# Altium PCB DRS4-PCB.PcbDoc (part 4 of 15) (continued)
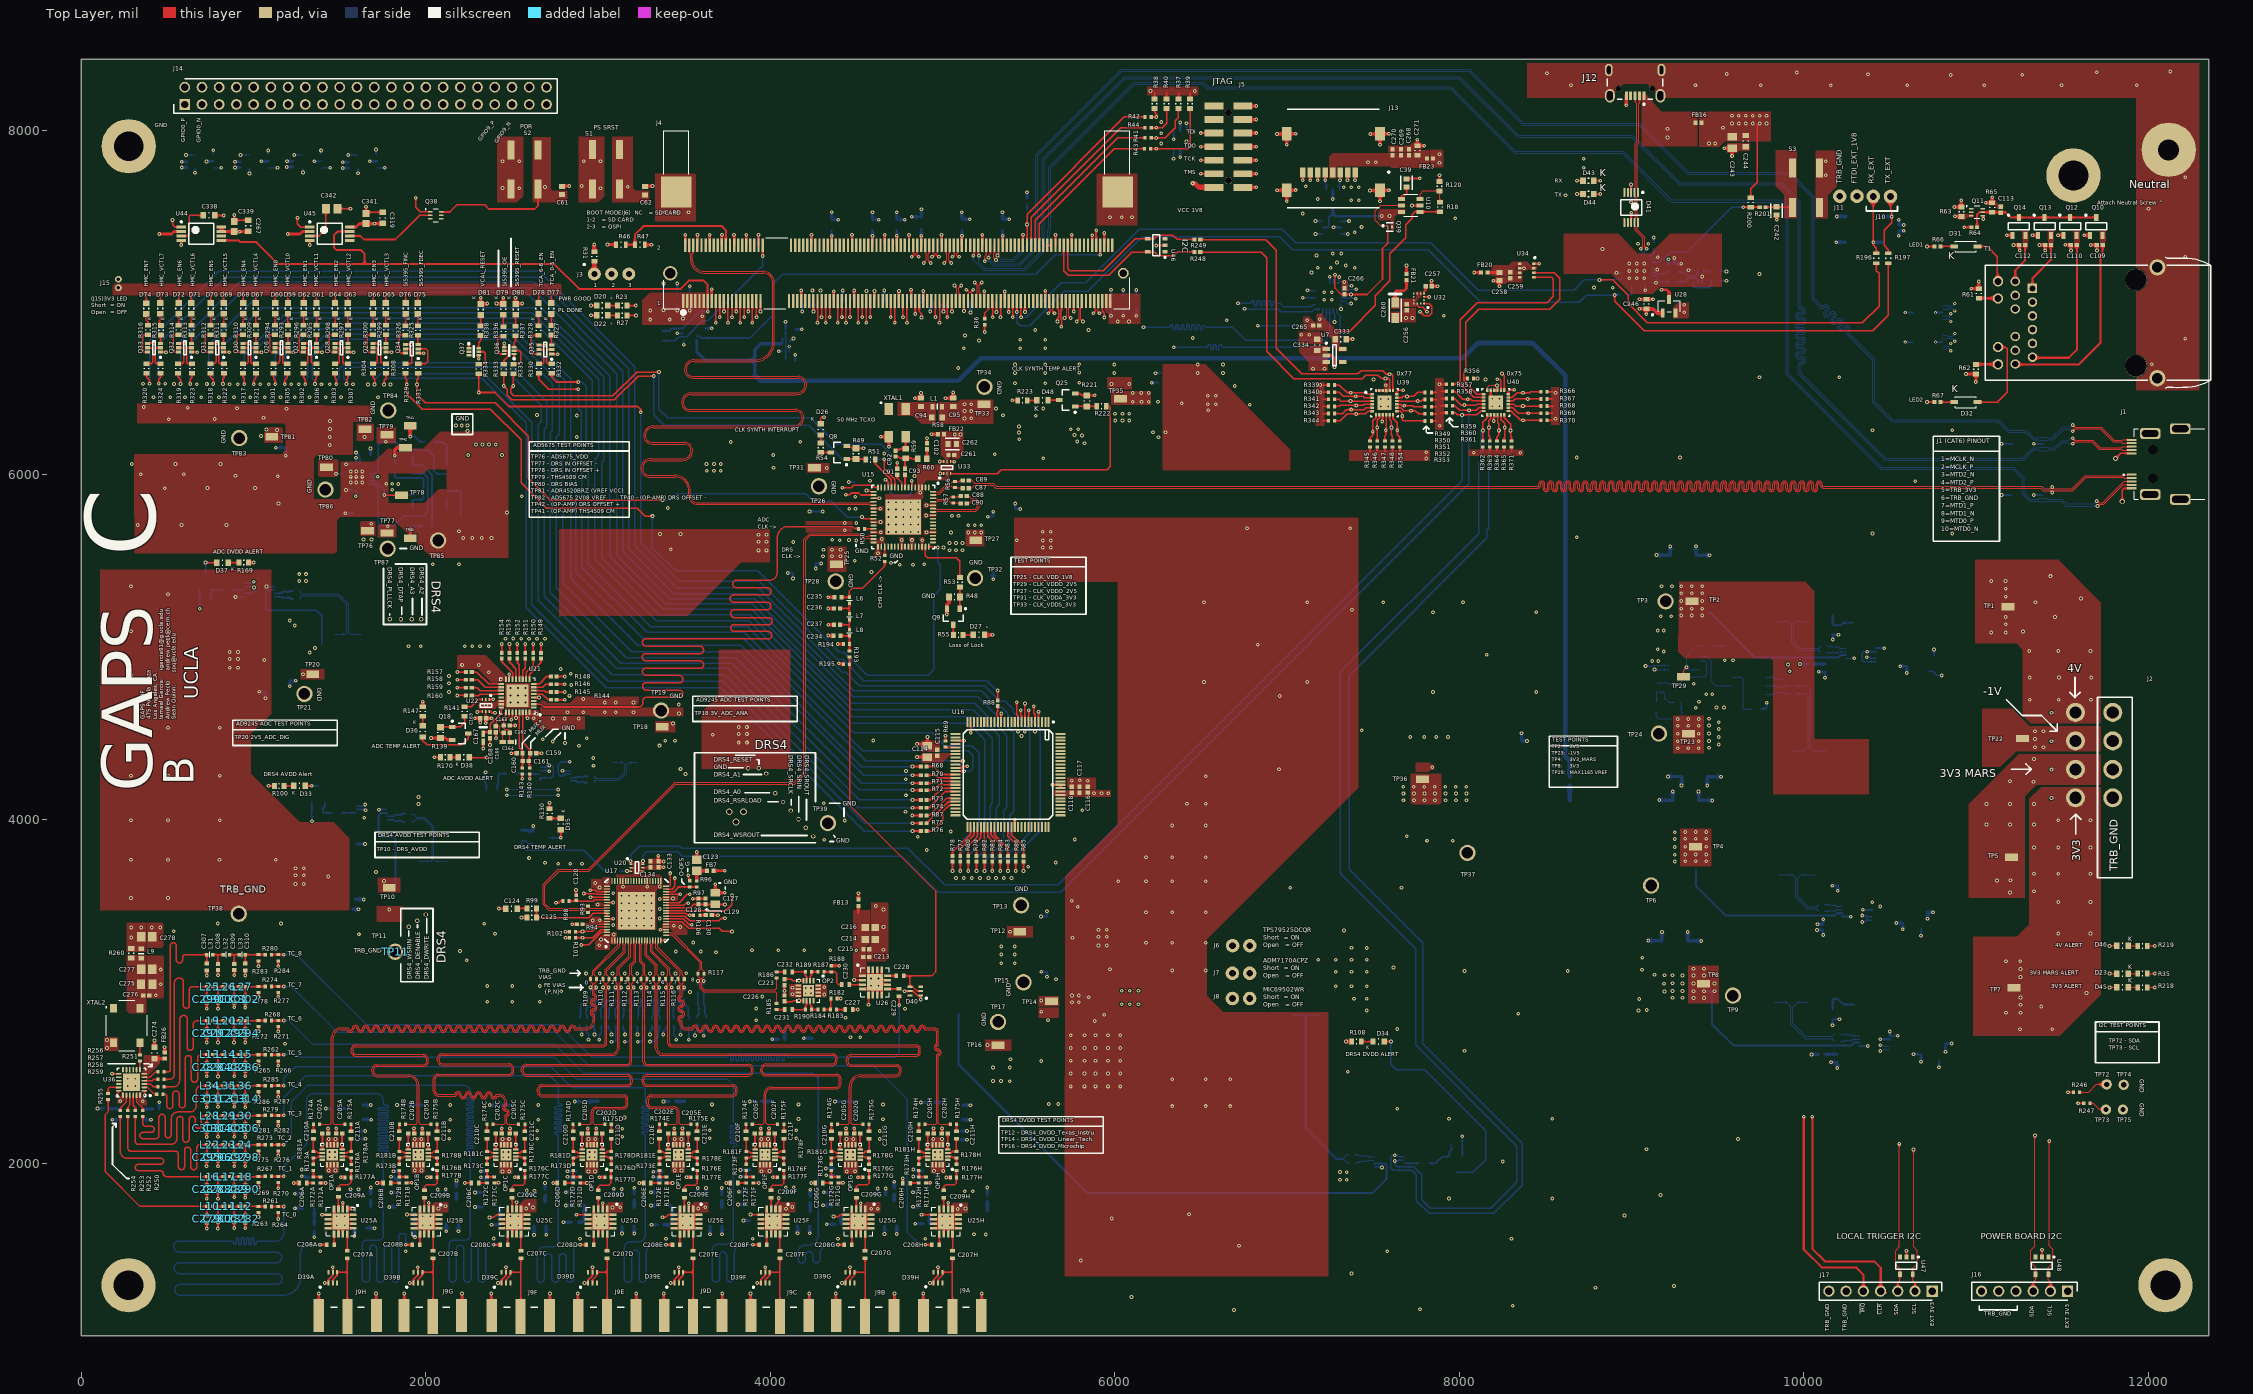
[diagram p0: Top Layer view]
## Footprints (in the part's own frame and the unit in brackets; to place one, negate y for a bottom-side part, rotate by r counter-clockwise, add the part's x,y. Pads: shape width x height; smd on the part's side, far side on the other; paste and mask are expansions set on the pad) (continued)
Cap_Murata_GRT21BR61E226ME13L_22uF [mm]
  rect 1.25x1.4 smd: 1(-0.825,0) 2(0.825,0)
  body extent -1.1,-0.64 1.1,0.64, height 1.45
Cap_Murata_ZRB18AR6YA475ME05L_4.7uF [mm]
  rect 0.8x0.95 smd: 1(-0.825,0) 2(0.825,0)
  silkscreen extent -0.05,-0.38 0.05,0.38, body extent -0.8,-0.4 0.8,0.4, height 1
Cap_Taiyo_Yuden_TMK105B7104KV-FR_100nF [mm]
  rect 0.66x0.62 smd: 1(-0.44,0) 2(0.44,0)
  body extent -0.53,-0.28 0.53,0.28, height 0.45
Cap_TDK_C1608X5R1A106M080AC_220nF [mm]
  rect 0.52x0.72 smd: 1(-0.55,0) 2(0.55,0)
  body extent -0.6,-0.35 0.6,0.35, height 0.5
Cap_TDK_CGA2B2C0G2A151J050BE_150pF [mm]
  rect 0.58x0.66 smd: 1(-0.51,0) 2(0.51,0)
  body extent -0.58,-0.3 0.58,0.3, height 0.6
Cap_Wurth_Electronics_885012206075_470nF [mm]
  rect 1.1x1 smd: 1(-0.725,0) 2(0.725,0)
  body extent -0.87,-0.48 0.88,0.48, height 0.95
CAPC0603(1608)100_L [mm] "Chip Capacitor, Body 1.6x0.8mm, Height 1.0mm, IPC High Density"
  rect 0.7x0.9 smd: 1(-0.7,0) 2(0.7,0)
  silkscreen extent -0.05,-0.35 0.05,0.35, body extent -0.87,-0.47 0.88,0.48, height 1
CP_16_40 [mm]
  rect 1.005x0.39 smd paste+0 mask+0: 1(-1.852,0.975) 2(-1.852,0.325) 3(-1.852,-0.325) 4(-1.852,-0.975) 9(1.852,-0.975) 10(1.852,-0.325) 11(1.852,0.325) 12(1.852,0.975)
  rect 0.39x1.005 smd paste+0 mask+0: 5(-0.975,-1.852) 6(-0.325,-1.852) 7(0.325,-1.852) 8(0.975,-1.852) 13(0.975,1.852) 14(0.325,1.852) 15(-0.325,1.852) 16(-0.975,1.852)
  rect 2.4x2.4 smd paste-10 mask+0: 17(0,0)
  silkscreen extent -2.48,-2.13 2.13,2.61, body extent -2.05,-2.05 2.05,2.05, height 0.95
CP_20_8 [mm]
  rect 0.905x0.3 smd paste+0 mask+0: 1(-1.902,1) 2(-1.902,0.5) 3(-1.902,0) 4(-1.902,-0.5) 5(-1.902,-1) 11(1.902,-1) 12(1.902,-0.5) 13(1.902,0) 14(1.902,0.5) 15(1.902,1)
  rect 0.3x0.905 smd paste+0 mask+0: 6(-1,-1.902) 7(-0.5,-1.902) 8(0,-1.902) 9(0.5,-1.902) 10(1,-1.902) 16(1,1.902) 17(0.5,1.902) 18(0,1.902) 19(-0.5,1.902) 20(-1,1.902)
  rect 2.6x2.6 smd paste-1.287 mask+0: 21(0,0)
  silkscreen extent -2.79,-2.13 2.13,2.29, body extent -2.05,-2.05 2.05,2.05, height 0.75
CP_32_2 [mil]
  rect 32x12 smd paste+0 mask+0: 1(-94.5,68.9) 2(-94.5,49.21) 3(-94.5,29.53) 4(-94.5,9.84) 5(-94.5,-9.84) 6(-94.5,-29.53) 7(-94.5,-49.21) 8(-94.5,-68.9) 17(94.5,-68.9) 18(94.5,-49.21) 19(94.5,-29.53) 20(94.5,-9.84) 21(94.5,9.84) 22(94.5,29.53) 23(94.5,49.21) 24(94.5,68.9)
  rect 12x32 smd paste+0 mask+0: 9(-68.9,-94.5) 10(-49.21,-94.5) 11(-29.53,-94.5) 12(-9.84,-94.5) 13(9.84,-94.5) 14(29.53,-94.5) 15(49.21,-94.5) 16(68.9,-94.5) 25(68.9,94.5) 26(49.21,94.5) 27(29.53,94.5) 28(9.84,94.5) 29(-9.84,94.5) 30(-29.53,94.5) 31(-49.21,94.5) 32(-68.9,94.5)
  rect 128x128 smd paste-63.5 mask+0: 33(0,0)
  silkscreen extent -135,-104 104,115, body extent -98,-98 99,99, height 38
D8 [mil]
  rect 78x22 smd: 1(-97,75) 2(-97,25) 3(-97,-25) 4(-97,-75) 5(97,-75) 6(97,-25) 7(97,25) 8(97,75)
  silkscreen extent -54,-98 54,98, body extent -122,-98 122,99, height 69
DBV0005A_L [mm] "SOT23, 5-Leads, Body 3.05x1.75mm, Pitch 0.95mm, IPC High Density"
  rrect18% 0.8x0.55 smd: 1(-1.275,0.95) 2(-1.275,0) 3(-1.275,-0.95) 4(1.275,-0.95) 5(1.275,0.95)
  silkscreen extent -1.4,-1.55 0.5,1.9, body extent -1.42,-1.46 1.42,1.46, height 1.08
DBV0005A_M [mm] "SOT23, 5-Leads, Body 3.05x1.75mm, Pitch 0.95mm, IPC Low Density"
  rrect15% 1.2x0.65 smd: 1(-1.475,0.95) 2(-1.475,0) 3(-1.475,-0.95) 4(1.475,-0.95) 5(1.475,0.95)
  silkscreen extent -1.6,-1.55 0.5,1.95, body extent -1.42,-1.46 1.42,1.46, height 1.08
DCQ0006A_L [mm] "SOT223, 6-Leads, Body 6.55x3.55mm, Pitch 1.27mm, IPC High Density"
  rrect17% 1.8x0.6 smd: 1(-2.925,2.54) 2(-2.925,1.27) 3(-2.925,0) 4(-2.925,-1.27) 5(-2.925,-2.54)
  rrect6% 1.8x3.15 smd: 6(2.925,0)
  silkscreen extent -3.05,-3.3 1.75,3.51, body extent -3.48,-3.25 3.48,3.25, height 1.64
DCQ0006A_N [mm] "SOT223, 6-Leads, Body 6.55x3.55mm, Pitch 1.27mm, IPC Medium Density"
  rrect17% 2.1x0.6 smd: 1(-2.975,2.54) 2(-2.975,1.27) 3(-2.975,0) 4(-2.975,-1.27) 5(-2.975,-2.54)
  rrect5% 2.1x3.2 smd: 6(2.975,0)
  silkscreen extent -3.1,-3.3 1.65,3.51, body extent -3.48,-3.25 3.48,3.25, height 1.64
DIMM_TE_Connectivity_1473005-4_200POS [mil]
  rect 14x79 smd paste+0 mask+0: 1(-1240.16,-161.5) 2(-1228.35,161.5) 3(-1216.54,-161.5) 4(-1204.73,161.5) 5(-1192.92,-161.5) 6(-1181.11,161.5) 7(-1169.3,-161.5) 8(-1157.49,161.5) 9(-1145.68,-161.5) 10(-1133.87,161.5) 11(-1122.06,-161.5) 12(-1110.25,161.5) 13(-1098.44,-161.5) 14(-1086.63,161.5) 15(-1074.82,-161.5) 16(-1063.01,161.5) 17(-1051.2,-161.5) 18(-1039.39,161.5) 19(-1027.58,-161.5) 20(-1015.77,161.5) 21(-1003.96,-161.5) 22(-992.15,161.5) 23(-980.34,-161.5) 24(-968.53,161.5) 25(-956.72,-161.5) 26(-944.91,161.5) 27(-933.1,-161.5) 28(-921.29,161.5) 29(-909.48,-161.5) 30(-897.67,161.5) 31(-885.86,-161.5) 32(-874.05,161.5) 33(-862.24,-161.5) 34(-850.43,161.5) 35(-838.62,-161.5) 36(-826.81,161.5) 37(-815,-161.5) 38(-803.19,161.5) 39(-791.38,-161.5) 40(-779.57,161.5) 41(-626.03,-161.5) 42(-614.22,161.5) 43(-602.41,-161.5) 44(-590.6,161.5) 45(-578.79,-161.5) 46(-566.98,161.5) 47(-555.17,-161.5) 48(-543.36,161.5) 49(-531.55,-161.5) 50(-519.74,161.5) 51(-507.93,-161.5) 52(-496.12,161.5) 53(-484.31,-161.5) 54(-472.5,161.5) 55(-460.69,-161.5) 56(-448.88,161.5) 57(-437.07,-161.5) 58(-425.26,161.5) 59(-413.45,-161.5) 60(-401.64,161.5) 61(-389.83,-161.5) 62(-378.02,161.5) 63(-366.21,-161.5) 64(-354.4,161.5) 65(-342.59,-161.5) 66(-330.78,161.5) 67(-318.97,-161.5) 68(-307.16,161.5) 69(-295.35,-161.5) 70(-283.54,161.5) 71(-271.73,-161.5) 72(-259.92,161.5) 73(-248.11,-161.5) 74(-236.3,161.5) 75(-224.49,-161.5) 76(-212.68,161.5) 77(-200.87,-161.5) 78(-189.06,161.5) 79(-177.25,-161.5) 80(-165.44,161.5) 81(-153.63,-161.5) 82(-141.82,161.5) 83(-130.01,-161.5) 84(-118.2,161.5) 85(-106.39,-161.5) 86(-94.58,161.5) 87(-82.77,-161.5) 88(-70.96,161.5) 89(-59.15,-161.5) 90(-47.34,161.5) 91(-35.53,-161.5) 92(-23.72,161.5) 93(-11.91,-161.5) 94(-0.1,161.5) 95(11.71,-161.5) 96(23.52,161.5) 97(35.33,-161.5) 98(47.14,161.5) 99(58.95,-161.5) 100(70.76,161.5) 101(82.57,-161.5) 102(94.38,161.5) 103(106.19,-161.5) 104(118,161.5) 105(129.81,-161.5) 106(141.62,161.5) 107(153.43,-161.5) 108(165.24,161.5) 109(177.05,-161.5) 110(188.86,161.5) 111(200.67,-161.5) 112(212.48,161.5) 113(224.29,-161.5) 114(236.1,161.5) 115(247.91,-161.5) 116(259.72,161.5) 117(271.53,-161.5) 118(283.34,161.5) 119(295.15,-161.5) 120(306.96,161.5) 121(318.77,-161.5) 122(330.58,161.5) 123(342.39,-161.5) 124(354.2,161.5) 125(366.01,-161.5) 126(377.82,161.5) 127(389.63,-161.5) 128(401.44,161.5) 129(413.25,-161.5) 130(425.06,161.5) 131(436.87,-161.5) 132(448.68,161.5) 133(460.49,-161.5) 134(472.3,161.5) 135(484.11,-161.5) 136(495.92,161.5) 137(507.73,-161.5) 138(519.54,161.5) 139(531.35,-161.5) 140(543.16,161.5) 141(554.97,-161.5) 142(566.78,161.5) 143(578.59,-161.5) 144(590.4,161.5) 145(602.21,-161.5) 146(614.02,161.5) 147(625.83,-161.5) 148(637.64,161.5) 149(649.45,-161.5) 150(661.26,161.5) 151(673.07,-161.5) 152(684.88,161.5) 153(696.69,-161.5) 154(708.5,161.5) 155(720.31,-161.5) 156(732.12,161.5) 157(743.93,-161.5) 158(755.74,161.5) 159(767.55,-161.5) 160(779.36,161.5) 161(791.17,-161.5) 162(802.98,161.5) 163(814.79,-161.5) 164(826.6,161.5) 165(838.41,-161.5) 166(850.22,161.5) 167(862.03,-161.5) 168(873.84,161.5) 169(885.65,-161.5) 170(897.46,161.5) 171(909.27,-161.5) 172(921.08,161.5) 173(932.89,-161.5) 174(944.7,161.5) 175(956.51,-161.5) 176(968.32,161.5) 177(980.13,-161.5) 178(991.94,161.5) 179(1003.75,-161.5) 180(1015.56,161.5) 181(1027.37,-161.5) 182(1039.18,161.5) 183(1050.99,-161.5) 184(1062.8,161.5) 185(1074.61,-161.5) 186(1086.42,161.5) 187(1098.23,-161.5) 188(1110.04,161.5) 189(1121.85,-161.5) 190(1133.66,161.5) 191(1145.47,-161.5) 192(1157.28,161.5) 193(1169.09,-161.5) 194(1180.9,161.5) 195(1192.71,-161.5) 196(1204.52,161.5) 197(1216.33,-161.5) 198(1228.14,161.5) 199(1239.95,-161.5) 200(1251.76,161.5)
  round 83 hole 63: 202(-1315.04,0)
  round 63 hole 43 mask+0: 203(1314.96,0)
  rect 177x181 smd: 204(-1281.5,472.44) 205(1281.5,472.44)
  silkscreen extent -1352,-238 1352,828, body extent -1401,-197 1413,829, height 212
Diode_ON_Semiconductor_1N4148WT_300mA [mm]
  rect 0.55x0.4 smd: 1(-0.8,0) 2(0.8,0)
  body extent -0.8,-0.45 0.8,0.45, height 0.7
Diode_SP3003-04ATG_LVDS_ESD [mm]
  oval 1.35x0.3 smd mask+0.06: 1(-2.225,1) 2(-2.225,0.5) 3(-2.225,0) 4(-2.225,-0.5) 5(-2.225,-1) 6(2.225,-1) 7(2.225,-0.5) 8(2.225,0) 9(2.225,0.5) 10(2.225,1)
  silkscreen extent -2.35,-1.55 1.15,1.82, body extent -2.44,-1.55 2.44,1.55, height 1.1
DRS4 [mm] "QFN, 76-Leads, Body 9.00x9.00mm, Pitch 0.40mm, Thermal Pad 5.50x5.50mm, IPC Medium Density"
  oval 0.9x0.2 smd: 1(-4.375,3.6) 2(-4.375,3.2) 3(-4.375,2.8) 4(-4.375,2.4) 5(-4.375,2) 6(-4.375,1.6) 7(-4.375,1.2) 8(-4.375,0.8) 9(-4.375,0.4) 10(-4.375,0) 11(-4.375,-0.4) 12(-4.375,-0.8) 13(-4.375,-1.2) 14(-4.375,-1.6) 15(-4.375,-2) 16(-4.375,-2.4) 17(-4.375,-2.8) 18(-4.375,-3.2) 19(-4.375,-3.6) 39(4.375,-3.6) 40(4.375,-3.2) 41(4.375,-2.8) 42(4.375,-2.4) 43(4.375,-2) 44(4.375,-1.6) 45(4.375,-1.2) 46(4.375,-0.8) 47(4.375,-0.4) 48(4.375,0) 49(4.375,0.4) 50(4.375,0.8) 51(4.375,1.2) 52(4.375,1.6) 53(4.375,2) 54(4.375,2.4) 55(4.375,2.8) 56(4.375,3.2) 57(4.375,3.6)
  oval 0.2x0.9 smd: 20(-3.6,-4.375) 21(-3.2,-4.375) 22(-2.8,-4.375) 23(-2.4,-4.375) 24(-2,-4.375) 25(-1.6,-4.375) 26(-1.2,-4.375) 27(-0.8,-4.375) 28(-0.4,-4.375) 29(0,-4.375) 30(0.4,-4.375) 31(0.8,-4.375) 32(1.2,-4.375) 33(1.6,-4.375) 34(2,-4.375) 35(2.4,-4.375) 36(2.8,-4.375) 37(3.2,-4.375) 38(3.6,-4.375) 58(3.6,4.375) 59(3.2,4.375) 60(2.8,4.375) 61(2.4,4.375) 62(2,4.375) 63(1.6,4.375) 64(1.2,4.375) 65(0.8,4.375) 66(0.4,4.375) 67(0,4.375) 68(-0.4,4.375) 69(-0.8,4.375) 70(-1.2,4.375) 71(-1.6,4.375) 72(-2,4.375) 73(-2.4,4.375) 74(-2.8,4.375) 75(-3.2,4.375) 76(-3.6,4.375)
  rect 5.5x5.5 smd paste-10: 77(0,0)
  silkscreen extent -5.42,-4.65 4.65,4.65, body extent -4.55,-4.55 4.55,4.55, height 0.9
"ESD_Bourns_ CDNBS08-SRDA05-4_5V" [mm]
  rect 1.45x0.65 smd: 1(-2.725,1.905) 2(-2.725,0.635) 3(-2.725,-0.635) 4(-2.725,-1.905) 5(2.725,-1.905) 6(2.725,-0.635) 7(2.725,0.635) 8(2.725,1.905)
  silkscreen extent -2.85,-2.5 1.6,2.9, body extent -3,-2.5 3,2.5, height 2.65
FB_MURATA_BLM15AX102SZ1D_1k [mm] "Feb SMD 1000 OHM 25% 3/4W 0402"
  rect 0.59x0.62 smd: 1(-0.455,0) 2(0.455,0)
  body extent -0.53,-0.28 0.53,0.27, height 0.55
FB_Wurth_Electronics_742792731_100Ohms [mm]
  rect 0.59x0.62 smd: 1(-0.455,0) 2(0.455,0)
  body extent -0.52,-0.28 0.53,0.28, height 0.5
Feb_MURATA_BLM15AX300SZ1D_30 [mm]
  rect 0.59x0.62 smd: 1(-0.455,0) 2(0.455,0)
  body extent -0.53,-0.28 0.53,0.27, height 0.55
FP-C0402-BB-MFG [mm]
  rect 0.52x0.52 smd paste+0 mask+0: 1(-0.4,0) 2(0.4,0)
  body extent -0.8,-0.4 0.8,0.4, height 0.25
HDRV6W64P0X254_1X6_1524X254X869P [mm]
  rect 1.65x1.65 hole 1.1: 1(0,0)
  round 1.65 hole 1.1: 2(2.54,0) 3(5.08,0) 4(7.62,0) 5(10.16,0) 6(12.7,0)
  silkscreen extent -1.42,-1.35 14.12,1.35, body extent -1.27,-1.27 13.97,1.27, height 8.69
HDRV7W64P0X254_1X7_1778X254X869P [mm]
  rect 1.65x1.65 hole 1.1: 1(0,0)
  round 1.65 hole 1.1: 2(2.54,0) 3(5.08,0) 4(7.62,0) 5(10.16,0) 6(12.7,0) 7(15.24,0)
  silkscreen extent -1.42,-1.35 16.66,1.35, body extent -1.27,-1.27 16.51,1.27, height 8.69
HDRV44W87P254_2X22_5601X508X864P [mm]
  rect 1.575x1.575 hole 1.05: 1(0,0)
  round 1.575 hole 1.05: 2(0,2.54) 3(2.54,0) 4(2.54,2.54) 5(5.08,0) 6(5.08,2.54) 7(7.62,0) 8(7.62,2.54) 9(10.16,0) 10(10.16,2.54) 11(12.7,0) 12(12.7,2.54) 13(15.24,0) 14(15.24,2.54) 15(17.78,0) 16(17.78,2.54) 17(20.32,0) 18(20.32,2.54) 19(22.86,0) 20(22.86,2.54) 21(25.4,0) 22(25.4,2.54) 23(27.94,0) 24(27.94,2.54) 25(30.48,0) 26(30.48,2.54) 27(33.02,0) 28(33.02,2.54) 29(35.56,0) 30(35.56,2.54) 31(38.1,0) 32(38.1,2.54) 33(40.64,0) 34(40.64,2.54) 35(43.18,0) 36(43.18,2.54) 37(45.72,0) 38(45.72,2.54) 39(48.26,0) 40(48.26,2.54) 41(50.8,0) 42(50.8,2.54) 43(53.34,0) 44(53.34,2.54)
  silkscreen extent -1.59,-1.27 54.93,3.81, body extent -1.34,-1.27 54.68,3.81, height 8.64
Header_Harwin_M50-3530242_2POS [mm] "Headers & Wire Housings 2 WAY SIL VERT PC TAIL P/HDR"
  round 1 hole 0.5: 1(0,0) 2(1.27,0)
Header_Molex_87832-1420_14POS [mm]
  rect 1x2.75 smd: 1(0,0) 2(0,4.26) 3(2,0) 4(2,4.26) 5(4,0) 6(4,4.26) 7(6,0) 8(6,4.26) 9(8,0) 10(8,4.26) 11(10,0) 12(10,4.26) 13(12,0) 14(12,4.26)
  round 1.08 hole 1.08: ""(1,2.13) ""(11,2.13)
  body extent -2.33,-1.05 14.33,5.25, height 7.6
Header_TE_Connectivity_87224-3_3POS [mm] "Headers & Wire Housings UNSHRD VERT SNGL 3"
  round 1.9 hole 0.9: 1(0,0) 2(2.54,0) 3(5.08,0)
  silkscreen extent -1.62,1.28 -1.38,1.52
Header_TE_Connectivity_826936-2_2POS_5A [mm]
  round 2 hole 1: 1(0,0) 2(2.54,0)
  body extent -1.27,-1.25 3.81,1.25, height 8.7
Header_TE_Connectivity_1586041-8_8POS [mm]
  round 2.794 hole 1.8: 1(0,5.5) 2(0,0) 3(4.2,5.5) 4(4.2,0) 5(8.4,5.5) 6(8.4,0) 7(12.6,5.5) 8(12.6,0)
  body extent -2.62,-14.08 15.88,6.05, height 11.6
IC_Cypress_Semiconductor_CY8C9560A-24AXI [mm] "Interface - I/O Expanders 60BIT IO EXPANDER W/EEPROM"
  rect 1.5x0.3 smd: 1(-7.75,6) 2(-7.75,5.5) 3(-7.75,5) 4(-7.75,4.5) 5(-7.75,4) 6(-7.75,3.5) 7(-7.75,3) 8(-7.75,2.5) 9(-7.75,2) 10(-7.75,1.5) 11(-7.75,1) 12(-7.75,0.5) 13(-7.75,0) 14(-7.75,-0.5) 15(-7.75,-1) 16(-7.75,-1.5) 17(-7.75,-2) 18(-7.75,-2.5) 19(-7.75,-3) 20(-7.75,-3.5) 21(-7.75,-4) 22(-7.75,-4.5) 23(-7.75,-5) 24(-7.75,-5.5) 25(-7.75,-6) 51(7.75,-6) 52(7.75,-5.5) 53(7.75,-5) 54(7.75,-4.5) 55(7.75,-4) 56(7.75,-3.5) 57(7.75,-3) 58(7.75,-2.5) 59(7.75,-2) 60(7.75,-1.5) 61(7.75,-1) 62(7.75,-0.5) 63(7.75,0) 64(7.75,0.5) 65(7.75,1) 66(7.75,1.5) 67(7.75,2) 68(7.75,2.5) 69(7.75,3) 70(7.75,3.5) 71(7.75,4) 72(7.75,4.5) 73(7.75,5) 74(7.75,5.5) 75(7.75,6)
  rect 0.3x1.5 smd: 26(-6,-7.75) 27(-5.5,-7.75) 28(-5,-7.75) 29(-4.5,-7.75) 30(-4,-7.75) 31(-3.5,-7.75) 32(-3,-7.75) 33(-2.5,-7.75) 34(-2,-7.75) 35(-1.5,-7.75) 36(-1,-7.75) 37(-0.5,-7.75) 38(0,-7.75) 39(0.5,-7.75) 40(1,-7.75) 41(1.5,-7.75) 42(2,-7.75) 43(2.5,-7.75) 44(3,-7.75) 45(3.5,-7.75) 46(4,-7.75) 47(4.5,-7.75) 48(5,-7.75) 49(5.5,-7.75) 50(6,-7.75) 76(6,7.75) 77(5.5,7.75) 78(5,7.75) 79(4.5,7.75) 80(4,7.75) 81(3.5,7.75) 82(3,7.75) 83(2.5,7.75) 84(2,7.75) 85(1.5,7.75) 86(1,7.75) 87(0.5,7.75) 88(0,7.75) 89(-0.5,7.75) 90(-1,7.75) 91(-1.5,7.75) 92(-2,7.75) 93(-2.5,7.75) 94(-3,7.75) 95(-3.5,7.75) 96(-4,7.75) 97(-4.5,7.75) 98(-5,7.75) 99(-5.5,7.75) 100(-6,7.75)
  silkscreen extent -7.87,-6.6 6.6,6.83, body extent -8.13,-8.13 8.13,8.13, height 1.4
IC_FTDI_FT232RQ-REEL [mm]
  rect 0.45x0.3 smd: 1(-2.237,1.75) 2(-2.237,1.25) 3(-2.237,0.75) 4(-2.237,0.25) 5(-2.237,-0.25) 6(-2.237,-0.75) 7(-2.237,-1.25) 8(-2.237,-1.75) 17(2.213,-1.75) 18(2.213,-1.25) 19(2.213,-0.75) 20(2.213,-0.25) 21(2.213,0.25) 22(2.213,0.75) 23(2.213,1.25) 24(2.213,1.75)
  rect 0.3x0.45 smd: 9(-1.762,-2.225) 10(-1.262,-2.225) 11(-0.762,-2.225) 12(-0.262,-2.225) 13(0.238,-2.225) 14(0.738,-2.225) 15(1.238,-2.225) 16(1.738,-2.225) 25(1.738,2.225) 26(1.238,2.225) 27(0.738,2.225) 28(0.238,2.225) 29(-0.262,2.225) 30(-0.762,2.225) 31(-1.262,2.225) 32(-1.762,2.225)
  rect 3.2x3.2 smd paste-10: 33(-0.012,0)
  silkscreen extent -3.09,-2.54 2.53,2.98, body extent -2.55,-2.54 2.53,2.54, height 0.75
IC_NXP_PCA9548ABS,118_I2C_8Channel [mm]
  rect 0.5x0.35 smd: 1(-1.754,1.274) 2(-1.754,0.774) 3(-1.754,0.274) 4(-1.754,-0.226) 5(-1.754,-0.726) 6(-1.754,-1.226) 13(1.846,-1.226) 14(1.846,-0.726) 15(1.846,-0.226) 16(1.846,0.274) 17(1.846,0.774) 18(1.846,1.274)
  rect 0.35x0.5 smd: 7(-1.204,-1.776) 8(-0.704,-1.776) 9(-0.204,-1.776) 10(0.296,-1.776) 11(0.796,-1.776) 12(1.296,-1.776) 19(1.296,1.824) 20(0.796,1.824) 21(0.296,1.824) 22(-0.204,1.824) 23(-0.704,1.824) 24(-1.204,1.824)
  rect 2.1x2.1 smd paste-10: 25(0.046,0.024)
  silkscreen extent -2.84,-2.03 2.1,2.07, body extent -2,-2.03 2.1,2.07, height 1
IC_TXS02612RTWR_SD_Level_Shifter [mm]
  oval 0.95x0.25 smd: 1(-1.9,1.25) 2(-1.9,0.75) 3(-1.9,0.25) 4(-1.9,-0.25) 5(-1.9,-0.75) 6(-1.9,-1.25) 13(1.9,-1.25) 14(1.9,-0.75) 15(1.9,-0.25) 16(1.9,0.25) 17(1.9,0.75) 18(1.9,1.25)
  oval 0.25x0.95 smd: 7(-1.25,-1.9) 8(-0.75,-1.9) 9(-0.25,-1.9) 10(0.25,-1.9) 11(0.75,-1.9) 12(1.25,-1.9) 19(1.25,1.9) 20(0.75,1.9) 21(0.25,1.9) 22(-0.25,1.9) 23(-0.75,1.9) 24(-1.25,1.9)
  rect 2.5x2.5 smd paste-10: 25(0,0)
  silkscreen extent -3,-2.23 2.23,2.22, body extent -2.18,-2.17 2.17,2.17, height 0.8
INA226AQDGSRQ1 [mm] "Current & Power Monitors & Regulators Automotive, 36-V, Ultra-High Accuracy, Low-/High-Side, I2C Out Current/Power Monitor w/ Alert 10-VSSOP -40 to 125"
  rrect33% 1.35x0.3 smd: 1(-2.225,1) 2(-2.225,0.5) 3(-2.225,0) 4(-2.225,-0.5) 5(-2.225,-1) 6(2.225,-1) 7(2.225,-0.5) 8(2.225,0) 9(2.225,0.5) 10(2.225,1)
  silkscreen extent -2.35,-1.55 1.15,1.87, body extent -2.45,-1.5 2.45,1.5, height 0.94
"Ind_TDK_ MLG1005SR22JT000_220nH" [mm]
  rect 0.59x0.62 smd: 1(-0.455,0) 2(0.455,0)
  body extent -0.53,-0.28 0.53,0.28, height 0.55
INF-SOT363_V [mm] "SOT23, 6-Leads, Body 2x1.25 mm, Pitch 0.65 mm"
  rect 0.7x0.3 smd: 1(-0.8,0.65) 2(-0.8,0) 3(-0.8,-0.65) 4(0.8,-0.65) 5(0.8,0) 6(0.8,0.65)
  silkscreen extent -1.53,1.74 -1.28,1.99, body extent -0.63,-1 0.63,1, height 1
Kemet_C0603_0 [mm]
  rect 0.75x0.9 smd paste+0 mask+0: 1(-0.6,0) 2(0.6,0)
  silkscreen extent -1.03,-0.82 1.03,0.82, body extent -0.8,-0.4 0.8,0.4, height 0.8
KEMT-T491A105K016AT_L [mm] "Molded Capacitor, 2-Leads, Body 3.40x1.80mm, IPC High Density"
  rect 1.45x1.15 smd: 1(-1.15,0) 2(1.15,0)
  silkscreen extent -2.37,-0.9 1.7,0.9, body extent -1.92,-0.9 1.92,0.9, height 1.8
LDO_Analog_Devices_ADM7170ACPZ-2.5-R7_2.5V [mm]
  rect 0.55x0.35 smd: 1(-1.285,0.75) 2(-1.285,0.25) 3(-1.285,-0.25) 4(-1.285,-0.75) 5(1.285,-0.75) 6(1.285,-0.25) 7(1.285,0.25) 8(1.285,0.75)
  rect 1.62x2.38 smd: 9(0,0)
  silkscreen extent -2.15,-1.7 1.7,1.75, body extent -1.55,-1.55 1.55,1.55, height 0.75
LDO_Microchip_MIC69502WR-TR_ADJ [mm]
  rect 0.9x2.35 smd: 1(-3.808,-5.793) 2(-2.538,-5.793) 3(-1.268,-5.793) 4(0.002,-5.793) 5(1.272,-5.793) 6(2.542,-5.793) 7(3.812,-5.793)
  rect 9.25x8.9 smd paste-10: 8(0.002,0.007)
  silkscreen extent -4.93,-5.92 -4.68,-5.67, body extent -4.75,-6.08 4.75,4.46, height 2.28
Led_Lite-On_LTST-C193KGKT-5A_Green [mm]
  rect 0.8x0.95 smd: 1(-0.825,0) 2(0.825,0)
  silkscreen extent -0.05,-0.38 0.05,0.38, body extent -0.85,-0.45 0.85,0.45, height 0.45
Led_Lite-On_LTST-C193KGKT-5A_Red [mm]
  rect 0.8x0.95 smd: 1(-0.825,0) 2(0.825,0)
  silkscreen extent -0.05,-0.38 0.05,0.38, body extent -0.8,-0.4 0.8,0.4, height 1
Led_Lite-On_LTST-C193TBKT-5A_Blue [mm] "Standard LEDs - SMD Blue 470nm 28mcd 20mA"
  rect 0.85x0.95 smd: 1(-0.8,0) 2(0.8,0)
  silkscreen extent -0.1,-0.38 0.1,0.38, body extent -0.8,-0.4 0.8,0.4, height 0.55
LIS3MDLTR [mm] "Board Mount Hall Effect / Magnetic Sensors Ultra Lo-Pwr Hi Perf 3-Axis 1.9-3.6V"
  rect 0.275x0.25 smd: 1(-0.763,0.75) 2(-0.763,0.25) 3(-0.763,-0.25) 4(-0.763,-0.75) 7(0.763,-0.75) 8(0.763,-0.25) 9(0.763,0.25) 10(0.763,0.75)
  rect 0.25x0.275 smd: 5(-0.25,-0.762) 6(0.25,-0.762) 11(0.25,0.763) 12(-0.25,0.763)
  silkscreen extent -1.45,1.2 -1.2,1.45, body extent -1,-1 1,1, height 1
Maxim_Electronics_8-uMAX_0 [mm]
  rect 1.35x0.4 smd paste+0 mask+0: 1(-2.15,0.975) 2(-2.15,0.325) 3(-2.15,-0.325) 4(-2.15,-0.975) 5(2.15,-0.975) 6(2.15,-0.325) 7(2.15,0.325) 8(2.15,0.975)
  silkscreen extent -3.55,-1.5 1,1.5, body extent -2.45,-1.5 2.45,1.5, height 1.1
Molex_47219-2001_0 [mm]
  rect 0.8x1.5 smd paste+0 mask+0: 1(3.205,-2.1) 2(2.105,-2.1) 3(1.005,-2.1) 4(-0.095,-2.1) 5(-1.195,-2.1) 6(-2.295,-2.1) 7(-3.395,-2.1) 8(-4.495,-2.1)
  rect 1.45x2 smd paste+0 mask+0: G1(6.875,-4.7) G2(6.875,3.6) G3(-6.875,3.6) G4(-6.875,-4.7)
  silkscreen extent -6.8,-7.25 8.3,7.25, body extent -7.7,-7.42 7.7,7.42, height 0.25
Mos_Alpha&Omega_AO3401A_4A [mm] "P-Channel 30V 4A (Ta) 1.4W (Ta) Surface Mount SOT-23-3L"
  rect 1.05x0.6 smd: 1(-1.325,0.95) 2(-1.325,-0.95) 3(1.325,0)
  silkscreen extent -0.5,-1.55 1.78,1.65, body extent -1.4,-1.55 1.4,1.55, height 1.25
Mos_ROHM_RSJ250P10FRATL_25A [mm]
  rect 1.05x2.2 smd: 1(-2.413,-5.95) 3(2.667,-5.95)
  rect 10.6x8.3 smd paste+0: 2(0.127,2.95)
  silkscreen extent -5.07,-6.07 5.33,-1.6, body extent -5.07,-6.05 5.33,7.05, height 4.55
OH_LVK20_OHM [mil]
  rect 100x61 smd paste+0 mask+0: 1(-78,-44.5) 2(-78,44.5) 3(78,44.5) 4(78,-44.5)
  silkscreen extent -15,-58 15,58, body extent -99,-49 98,49, height 23
OH_LVK24_OHM [mil]
  rect 128x75 smd paste+0 mask+0: 1(-103.5,-49.5) 2(-103.5,49.5) 3(103.5,49.5) 4(103.5,-49.5)
  silkscreen extent -26,-72 26,72, body extent -121,-58 131,68, height 24
ONSC-SOD-923-2-514AB-01_V [mm] "SOD, 2-Leads, Body 0.8x0.6mm"
  rect 0.36x0.25 smd: 1(-0.42,0) 2(0.42,0)
  silkscreen extent -0.47,0.48 -0.37,0.57, body extent -0.4,-0.3 0.4,0.3, height 0.4
PMU_Texas_Instruments_TLC7733IPWR_2.93 [mm]
  rect 1.4x0.45 smd mask+0.05: 1(-2.95,0.975) 2(-2.95,0.325) 3(-2.95,-0.325) 4(-2.95,-0.975) 5(2.95,-0.975) 6(2.95,-0.325) 7(2.95,0.325) 8(2.95,0.975)
  silkscreen extent -3.07,-1.55 1.85,1.87, body extent -3.2,-1.55 3.2,1.55, height 1.2
PRTR5V0U4D,125 [mm] "ESD Suppressors / TVS Diodes 5.5V QUAD R-R ESD ULTRA LOW CAP"
  rect 1x0.5 smd: 1(-1.35,0.95) 2(-1.35,0) 3(-1.35,-0.95) 4(1.35,-0.95) 5(1.35,0) 6(1.35,0.95)
  silkscreen extent -1.47,-1.55 0.45,1.88, body extent -1.5,-1.55 1.5,1.55, height 1.1
R_14_ADI-M [mil]
  rect 90x24 smd paste+0 mask+0: 1(-99,150) 2(-99,100) 3(-99,50) 4(-99,0) 5(-99,-50) 6(-99,-100) 7(-99,-150) 8(99,-150) 9(99,-100) 10(99,-50) 11(99,0) 12(99,50) 13(99,100) 14(99,150)
  silkscreen extent -117,-178 164,202, body extent -122,-173 122,173, height 69
RES_DNP_0603 [mm]
  rect 0.55x0.95 smd: 1(-0.725,0) 2(0.725,0)
  silkscreen extent -0.05,-0.38 0.05,0.38, body extent -0.77,-0.44 0.77,0.44, height 0.45
Res_Panasonic_ERJ-3EKF1692V_16.9kOhm [mm]
  rect 0.75x0.95 smd: 1(-0.65,0) 2(0.65,0)
  body extent -0.82,-0.48 0.82,0.48, height 0.45
Res_ROHM_SFR01MZPF20R0_20_Ohm [mm]
  rect 0.55x0.55 smd: 1(-0.45,0) 2(0.45,0)
  body extent -0.53,-0.28 0.53,0.28, height 0.4
Res_Vishay_CRCW04020000Z0EDC_0_Ohm [mm]
  rect 0.6x0.55 smd: 1(-0.425,0) 2(0.425,0)
  body extent -0.53,-0.28 0.53,0.28, height 0.45
Res_Yageo_RC0402FR-132K49L_2.48kOhm [mm]
  rect 0.6x0.55 smd: 1(-0.425,0) 2(0.425,0)
  body extent -0.52,-0.28 0.52,0.27, height 0.4
Res_Yageo_RT0603BRE078KL_8K [mm]
  rect 0.85x0.9 smd: 1(-0.775,0) 2(0.775,0)
  body extent -0.85,-0.45 0.85,0.45, height 0.55
RESC0402(1005)_L#1 [mm] "Chip Resistor, Body 1.0x0.5mm, IPC High Density"
  rect 0.45x0.55 smd: 1(-0.45,0) 2(0.45,0)
  body extent -0.52,-0.27 0.53,0.28, height 0.4
RESC0402(1005)_L#2 [mm] "Chip Resistor, Body 1.0x0.5mm, IPC High Density"
  rect 0.45x0.55 smd paste+0 mask+0.025: 1(-0.45,0)
  rect 0.45x0.55 smd: 2(0.45,0)
  body extent -0.52,-0.27 0.53,0.28, height 0.4
RESC0402(1005)_L#3 [mm] "Chip Resistor, Body 1.0x0.5mm, IPC High Density"
  rect 0.45x0.55 smd mask+0: 1(-0.45,0)
  rect 0.45x0.55 smd: 2(0.45,0)
  body extent -0.52,-0.27 0.53,0.28, height 0.4
RESC0402(1005)_L#4 [mm] "Chip Resistor, Body 1.0x0.5mm, IPC High Density"
  rect 0.45x0.55 smd: 1(-0.45,0) 2(0.449,0)
  body extent -0.52,-0.27 0.53,0.28, height 0.4
RESC0402(1005)_N [mm] "Chip Resistor, Body 1.0x0.5mm, IPC Medium Density"
  rect 0.55x0.65 smd: 1(-0.5,0) 2(0.5,0)
  body extent -0.52,-0.27 0.53,0.28, height 0.4
RESC0603(1608)_L [mm] "Chip Resistor, Body 1.6x0.8mm, IPC High Density"
  rect 0.7x0.9 smd: 1(-0.7,0) 2(0.7,0)
  silkscreen extent -0.05,-0.35 0.05,0.35, body extent -0.85,-0.47 0.85,0.47, height 0.6
RESC0603(1608)_M [mm] "Chip Resistor, Body 1.6x0.8mm, IPC Low Density"
  rect 1.1x1.1 smd: 1(-0.9,0) 2(0.9,0)
  silkscreen extent -0.05,-0.45 0.05,0.45, body extent -0.85,-0.47 0.85,0.47, height 0.6
RESC0603(1608)_N [mm] "Chip Resistor, Body 1.6x0.8mm, IPC Medium Density"
  rect 0.9x1 smd: 1(-0.8,0) 2(0.8,0)
  silkscreen extent -0.05,-0.4 0.05,0.4, body extent -0.85,-0.47 0.85,0.47, height 0.6
RESC1608X55X30ML15T15 [mm] "Chip Resistor, 2-Leads, Body 1.60x0.80mm, IPC Low Density"
  rect 0.9x1.05 smd: 1(-0.725,0) 2(0.725,0)
  body extent -0.87,-0.48 0.87,0.48, height 0.55
RESC1608X55X30NL15T15 [mm] "Chip Resistor, 2-Leads, Body 1.60x0.80mm, IPC Medium Density"
  rect 0.8x0.95 smd: 1(-0.675,0) 2(0.675,0)
  body extent -0.87,-0.48 0.87,0.48, height 0.55
RESC1609X50X30ML08T20 [mm] "Chip Resistor, 2-Leads, Body 1.65x0.95mm, IPC Low Density"
  rect 0.9x1.05 smd: 1(-0.7,0) 2(0.7,0)
  body extent -0.82,-0.48 0.82,0.48, height 0.5
RGT16 [mil]
  rect 32x12 smd paste+0 mask+0: 1(-58,29.53) 2(-58,9.84) 3(-58,-9.84) 4(-58,-29.53) 9(58,-29.53) 10(58,-9.84) 11(58,9.84) 12(58,29.53)
  rect 12x32 smd paste+0 mask+0: 5(-29.53,-58) 6(-9.84,-58) 7(9.84,-58) 8(29.53,-58) 13(29.53,58) 14(9.84,58) 15(-9.84,58) 16(-29.53,58)
  rect 65x65 smd paste-32 mask-32: 17(0,0)
  round 20 hole 10: V(-15.5,15.5) V(-15.5,-15.5) V(15.5,15.5) V(15.5,-15.5)
  silkscreen extent -90,-67 67,90, body extent -62,-62 62,62, height 36
Si5395 [mm]
  oval 0.9x0.25 smd: 1(-4.375,3.75) 2(-4.375,3.25) 3(-4.375,2.75) 4(-4.375,2.25) 5(-4.375,1.75) 6(-4.375,1.25) 7(-4.375,0.75) 8(-4.375,0.25) 9(-4.375,-0.25) 10(-4.375,-0.75) 11(-4.375,-1.25) 12(-4.375,-1.75) 13(-4.375,-2.25) 14(-4.375,-2.75) 15(-4.375,-3.25) 16(-4.375,-3.75) 33(4.375,-3.75) 34(4.375,-3.25) 35(4.375,-2.75) 36(4.375,-2.25) 37(4.375,-1.75) 38(4.375,-1.25) 39(4.375,-0.75) 40(4.375,-0.25) 41(4.375,0.25) 42(4.375,0.75) 43(4.375,1.25) 44(4.375,1.75) 45(4.375,2.25) 46(4.375,2.75) 47(4.375,3.25) 48(4.375,3.75)
  oval 0.25x0.9 smd: 17(-3.75,-4.375) 18(-3.25,-4.375) 19(-2.75,-4.375) 20(-2.25,-4.375) 21(-1.75,-4.375) 22(-1.25,-4.375) 23(-0.75,-4.375) 24(-0.25,-4.375) 25(0.25,-4.375) 26(0.75,-4.375) 27(1.25,-4.375) 28(1.75,-4.375) 29(2.25,-4.375) 30(2.75,-4.375) 31(3.25,-4.375) 32(3.75,-4.375) 49(3.75,4.375) 50(3.25,4.375) 51(2.75,4.375) 52(2.25,4.375) 53(1.75,4.375) 54(1.25,4.375) 55(0.75,4.375) 56(0.25,4.375) 57(-0.25,4.375) 58(-0.75,4.375) 59(-1.25,4.375) 60(-1.75,4.375) 61(-2.25,4.375) 62(-2.75,4.375) 63(-3.25,4.375) 64(-3.75,4.375)
  rect 5.2x5.2 smd paste-10: 65(0,0)
  silkscreen extent -5.1,-4.65 4.65,5.24, body extent -4.58,-4.58 4.58,4.58, height 0.9
Si53362 [mm] "2:12 CMOS BUFFER (200MHZ), 2:1 L"
  oval 0.8x0.25 smd: 1(-1.875,1.25) 2(-1.875,0.75) 3(-1.875,0.25) 4(-1.875,-0.25) 5(-1.875,-0.75) 6(-1.875,-1.25) 13(1.875,-1.25) 14(1.875,-0.75) 15(1.875,-0.25) 16(1.875,0.25) 17(1.875,0.75) 18(1.875,1.25)
  oval 0.25x0.8 smd: 7(-1.25,-1.875) 8(-0.75,-1.875) 9(-0.25,-1.875) 10(0.25,-1.875) 11(0.75,-1.875) 12(1.25,-1.875) 19(1.25,1.875) 20(0.75,1.875) 21(0.25,1.875) 22(-0.25,1.875) 23(-0.75,1.875) 24(-1.25,1.875)
  rect 2.55x2.55 smd paste-10: 25(0,0)
  silkscreen extent -2.88,-2.1 2.1,2.1, body extent -2,-2 2,2, height 0.9
SOD123 [mm]
  rect 1.111x0.601 smd paste+0 mask+0: 1(-1.725,0) 2(1.725,0)
  silkscreen extent -1.55,-0.8 1.55,0.8, body extent -1.92,-0.67 1.93,0.68, height 0.81
SOT23_TT_MCH [mil]
  rect 23x52 smd paste+0 mask+0: 1(-37.4,-40) 2(37.4,-40) 3(0,40)
  silkscreen extent -102,-55 65,32, body extent -60,-52 60,52, height 44
SPDT_C&K_KSC421J70SHLFSPF_50mA [mm]
  rect 2.8x1 smd: 1(0,-4) 2(5.8,-4) 3(5.8,0) 4(0,0)
  body extent -0.5,-5.14 6.3,1.16, height 5.2